# Altium PCB FMC_ADC_250M_16B_4ch.PcbDoc (part 8 of 8)
Units mm, origin at the board's own origin, x right, y up, seen from the top; angles counter-clockwise.
Board outline 76.75 x 69 mm, 8 copper layers (Top Layer, GND(SMAGND), L3, GND, L5, GND (Plane2), Power, Bottom Layer), stack 2.323 mm thick; 401 components, 423 nets, 2219 pads, 1334 vias.
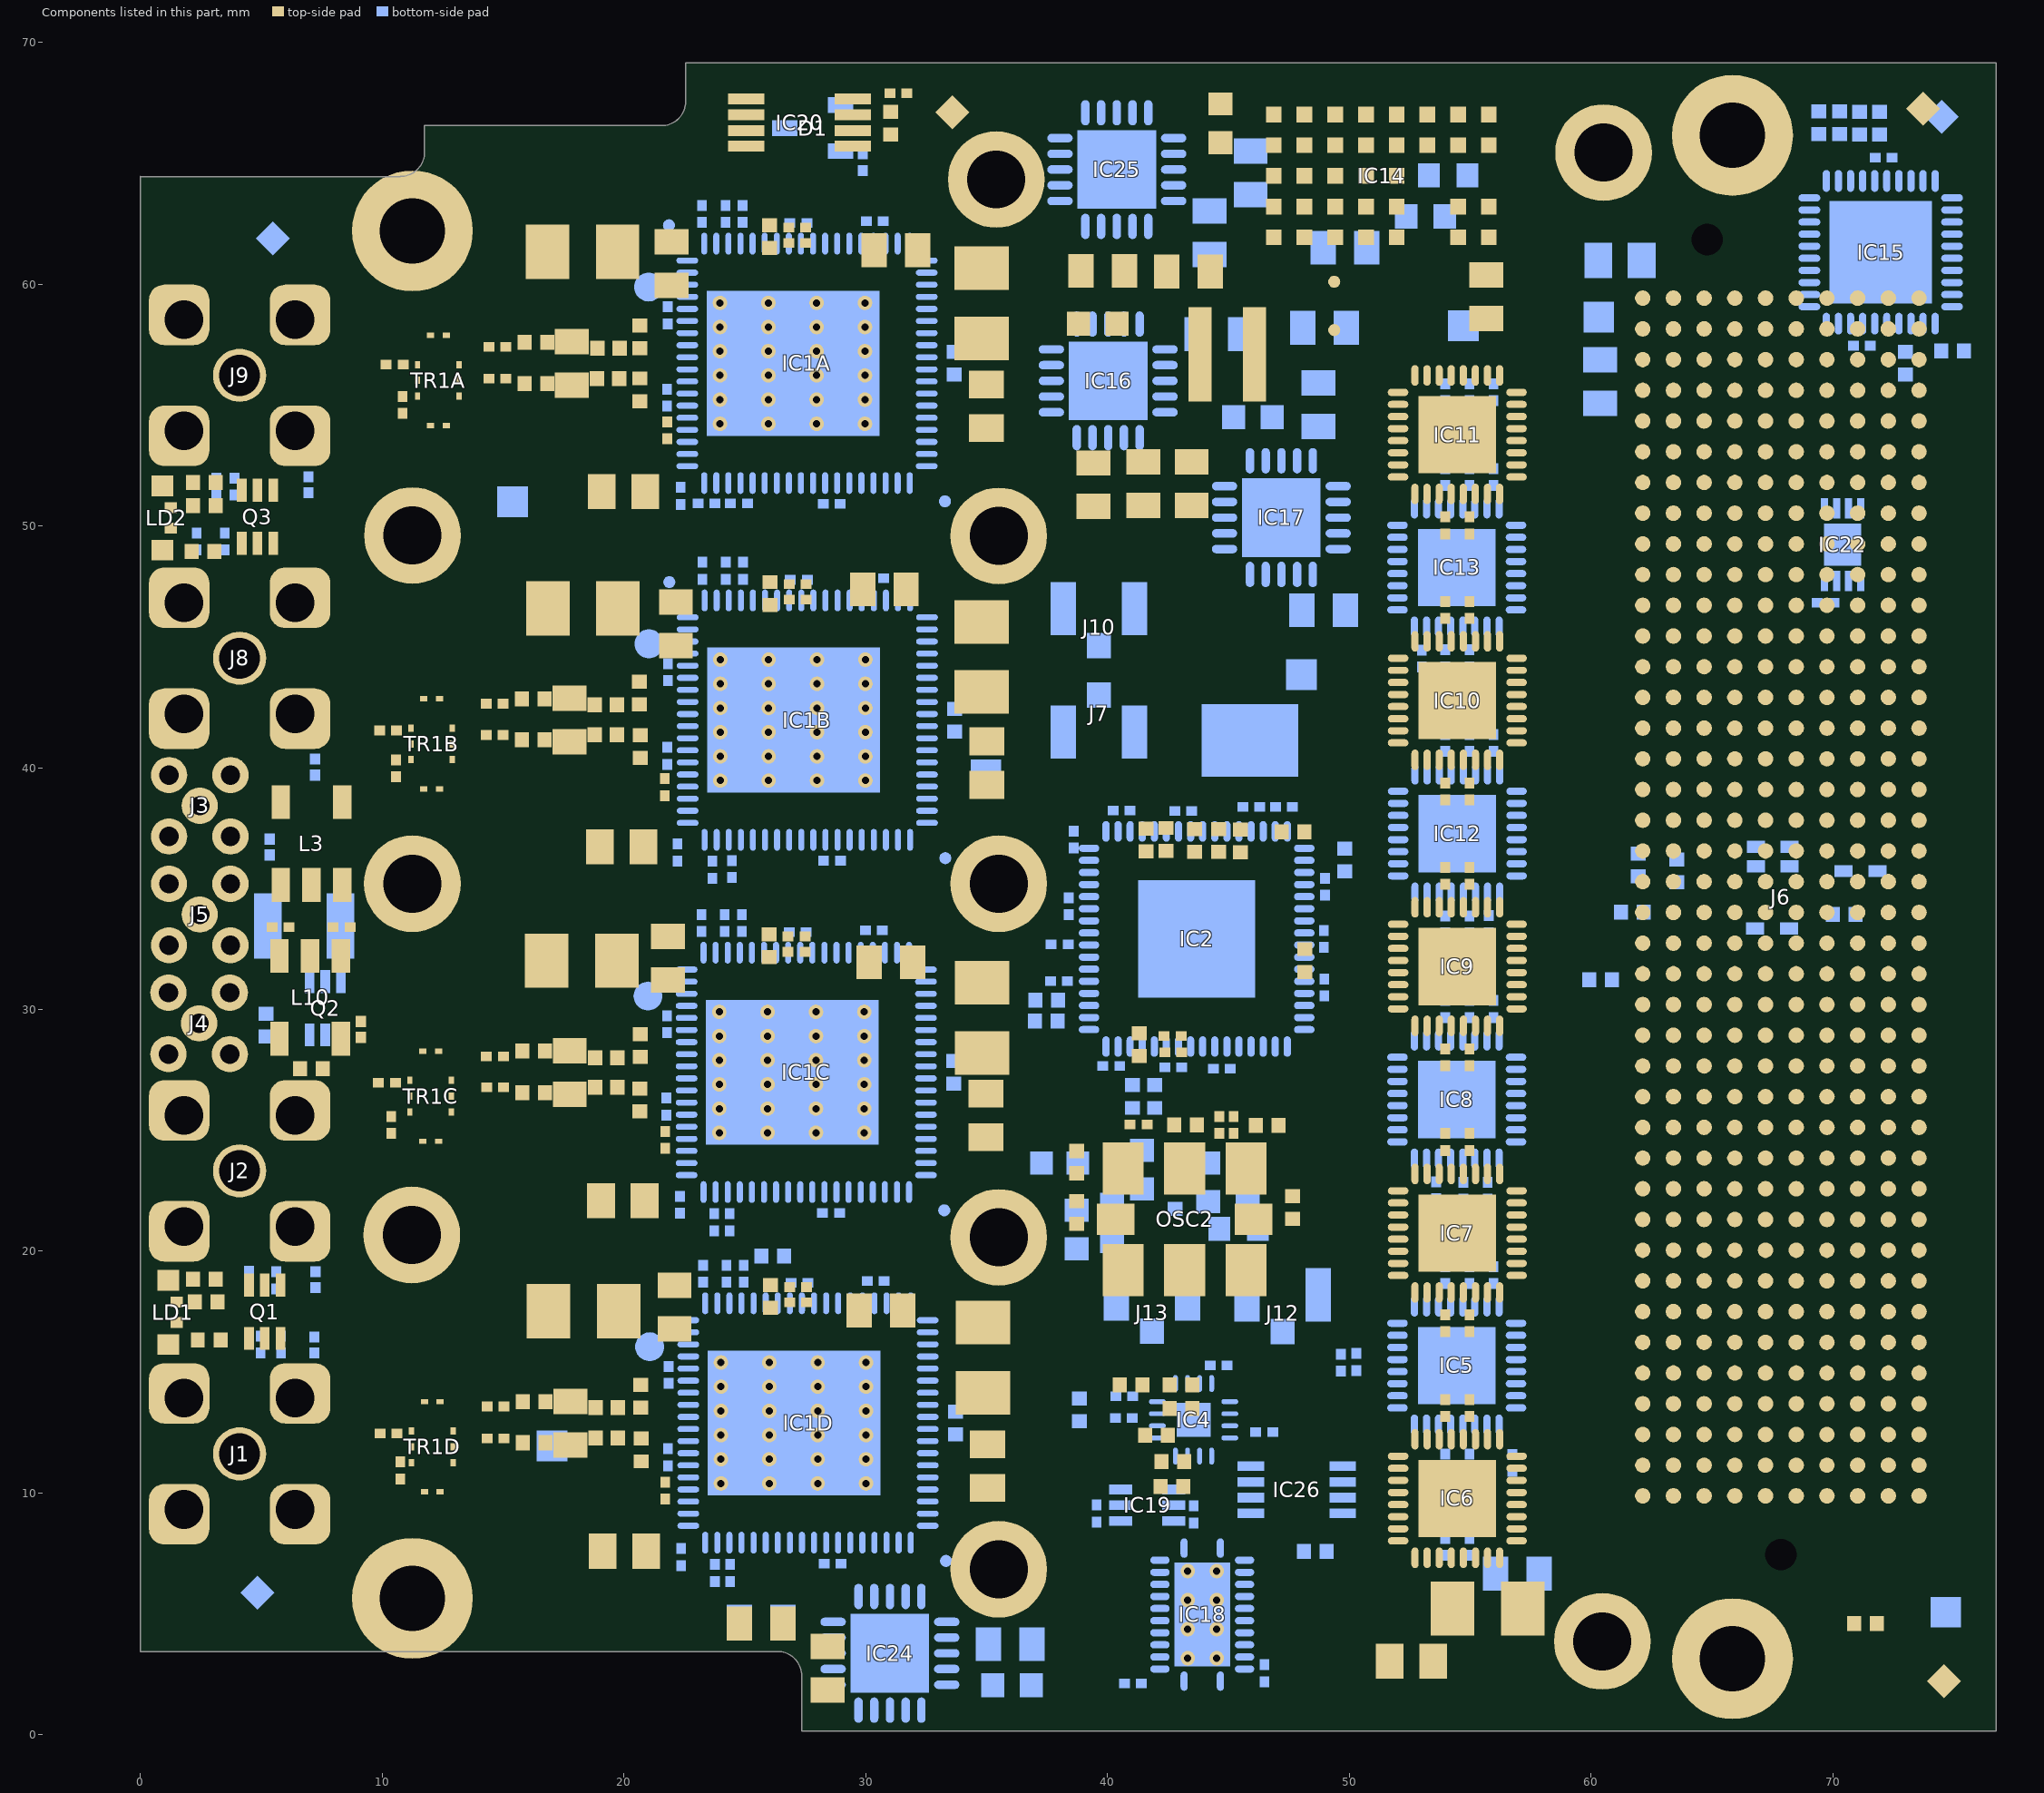
[diagram p14: the components of this part, seen from the top]

## Silkscreen, mask and mechanical layers (free items; w line width, h text height) (continued)
Drill Guide:
  text "INPUT1" at -12.671,55.628 h1
  text "INPUT2" at -12.925,44.134 h1
  text "EXT CLK" at -12.265,37.81 h1
  text "TRIG" at -9.623,33.441 h1
  text "REF IN" at -11.858,29.148 h1
  text "INPUT3" at -13.103,23.078 h1
  text "INPUT4" at -13.687,11.953 h1
Mechanical 1:
  lines w0.127: 0.006,3.45 0.006,64.45 ; 11.756,65.45 11.756,66.55 21.556,66.55 ccw(c21.556,67.55) 22.556,67.55 22.556,69.15 ; 26.356,3.45 cw(c26.356,2.45) 27.356,2.45 27.356,0.15 ; 76.756,0.15 76.756,69.15
Mechanical 2:
  circle w0.1: c11.259,5.646 r1.025
  circle w0.1: c11.259,62.196 r1.025
  circle w0.127: c-31.253,44.074 r4.25
  circle w0.127: c-34.273,28.974 r2
  circle w0.127: c-34.273,33.474 r2
  circle w0.127: c-31.253,22.874 r4.25
  circle w0.127: c-34.273,37.974 r2
  circle w0.127: c-35.833,17.074 r0.75
  circle w0.127: c-35.833,49.924 r0.75
  lines w0.1: -15.719,33.925 4.606,33.925 4.631,33.95 ; -0.741,7.896 11.259,7.896 cw(c11.259,5.646) 11.259,3.396 0.259,3.396 0.259,4.696 -1.191,4.696 ; -0.741,7.921 -0.741,59.921 ; -0.741,59.946 11.259,59.946 ccw(c11.259,62.196) 11.259,64.446 0.259,64.446 0.259,63.146 -1.191,63.146 ; 4.089,11.763 4.089,57.21 4.1,57.221 ; 10.259,5.646 12.259,5.646 ; 10.259,62.196 12.259,62.196 ; 11.252,5.667 11.252,62.207 ; 11.252,20.576 37.998,20.576 38.024,20.602 ; 11.252,35.105 38.024,35.105 ; 11.252,49.583 38.328,49.583 38.354,49.558 ; 11.256,5.65 -14.794,5.65 ; 11.256,62.2 -14.794,62.2 -14.794,5.65 ; 11.259,4.646 11.259,6.646 ; 11.259,61.196 11.259,63.196 ; 35.481,67.825 35.506,67.8 35.506,20.576 ; 35.506,4.45 35.506,20.6 ; -14.794,5.65 -14.794,5.65 ; -2.791,4.696 cw(c-1.991,4.696) -1.191,4.696 ; -2.791,4.696 -3.241,4.696 -3.241,63.146 -2.791,63.146 ; -2.791,4.696 -2.791,63.146 ; -2.791,63.146 ccw(c-1.991,63.146) -1.191,63.146 ; -1.191,4.696 -1.191,63.146
  lines w0.127: -36.28,4.527 cw(c-35.036,7.253) -38.033,7.253 -38.033,59.704 cw(c-35.036,59.704) -36.28,62.431 ; -26.273,5.074 ccw(c-28.33,7.253) -25.333,7.253 -25.333,59.704 ccw(c-28.33,59.704) -26.273,61.884 ; -33.313,7.456 ccw(c-31.253,11.174) -29.193,7.456 ; -33.313,7.456 cw(c-31.253,11.174) -29.193,7.456 ; -33.313,7.456 -36.28,7.456 -36.28,2.961 -26.273,2.961 -26.273,7.456 -29.193,7.456 ; -33.296,59.501 cw(c-31.253,55.774) -29.211,59.501 ; -33.296,59.501 ccw(c-31.253,55.774) -29.211,59.501 ; -33.296,59.501 -36.28,59.501 -36.28,63.997 -26.273,63.997 -26.273,59.501 -29.211,59.501
  lines w0.203: 2.56,16.805 6.37,16.805 ; 2.56,35.855 6.37,35.855 ; 2.56,45.38 6.37,45.38 ; 2.56,54.905 6.37,54.905 ; 2.687,26.33 6.37,26.33
  text "Input stage 1" at -21.895,56.441 h1.52
  text "Input stage 2" at -22.657,43.995 h1.52
  text "Input stage 3" at -23.749,22.888 h1.52
  text "Input stage 4" at -22.073,11.89 h1.52
Mechanical 3:
  text "ADC 4CH" at -34.388,61.343 h1
  text "IN1" at -37.512,57.787 h1.4 r270
  text "LD2" at -33.829,49.659 h1.4
  text "IN2" at -37.512,45.976 h1.4 r270
  text "ext" at -31.67,38.229 h1.4
  text "CLK" at -31.67,36.324 h1.4
  text "TRIG" at -31.67,33.149 h1.4
  text "REF" at -31.67,28.577 h1.4
  text "IN3" at -37.512,24.64 h1.4 r270
  text "LD1" at -33.702,16.639 h1.4
  text "IN4" at -37.512,13.083 h1.4 r270
  text "250MHz,16b" at -36.166,5.59 h1
Mechanical 5:
  lines w0.254: 0,3.45 26.356,3.45 cw(c26.356,2.45) 27.356,2.45 27.356,0.15 76.75,0.15 ; 0.004,64.446 10.75,64.446 ; 0.006,3.45 0.006,64.45 ; 10.756,64.45 ccw(c10.756,65.45) 11.756,65.45 11.756,66.55 21.556,66.55 ccw(c21.556,67.55) 22.556,67.55 22.556,69.15 ; 22.575,69.15 76.756,69.15 76.756,0.15
Mechanical 8:
  circle w0.1: c65.856,3.15 r2.9
  circle w0.1: c65.856,66.15 r2.9
  circle w0.1: c64.806,61.85 r0.65
  circle w0.1: c65.856,3.15 r1.35
  circle w0.1: c67.856,7.45 r0.65
  circle w0.1: c65.856,66.15 r1.35
  circle w0.1: c11.256,5.65 r1.35
  circle w0.1: c11.256,62.2 r1.35
  lines w0.1: 0.256,8.95 31.256,8.95 31.256,58.95 0.256,58.95 ; 10.256,5.65 11.256,5.65 ; 10.256,62.2 11.256,62.2 ; 11.256,4.65 11.256,5.65 ; 11.256,6.65 11.256,5.65 ; 11.256,61.2 11.256,62.2 ; 11.256,63.2 11.256,62.2 ; 12.256,5.65 11.256,5.65 ; 12.256,62.2 11.256,62.2 ; 63.806,61.85 64.806,61.85 ; 64.806,60.85 64.806,61.85 ; 64.806,62.85 64.806,61.85 ; 64.856,3.15 65.856,3.15 ; 64.856,66.15 65.856,66.15 ; 65.806,61.85 64.806,61.85 ; 65.856,2.15 65.856,3.15 ; 65.856,4.15 65.856,3.15 ; 65.856,65.15 65.856,66.15 ; 65.856,67.15 65.856,66.15 ; 66.856,3.15 65.856,3.15 ; 66.856,7.45 67.856,7.45 ; 66.856,66.15 65.856,66.15 ; 67.856,6.45 67.856,7.45 ; 67.856,8.45 67.856,7.45 ; 68.856,7.45 67.856,7.45 ; 72.556,9.85 73.556,9.85 ; 73.556,8.85 73.556,9.85 ; 73.556,10.85 73.556,9.85 ; 74.556,9.85 73.556,9.85
Drill Drawing:
  lines w0.1: 9.756,65.45 10.756,65.45 ; 10.756,64.45 10.756,65.45 ; 10.756,66.45 10.756,65.45 ; 11.756,65.45 10.756,65.45 ; 20.556,67.55 21.556,67.55 ; 21.556,66.55 21.556,67.55 ; 21.556,68.55 21.556,67.55 ; 22.556,67.55 21.556,67.55 ; 25.356,2.45 26.356,2.45 ; 26.356,1.45 26.356,2.45 ; 26.356,3.45 26.356,2.45 ; 27.356,2.45 26.356,2.45
Mechanical 18:
  drawing of 300 lines, arcs and shapes, not listed
shield 2D:
  drawing of 592 lines, arcs and shapes, not listed
  text "new 2d Shield" at 169.475,173 h1.52

## Dimensions
26.356,2.45 to 29.057,5.15 on Drill Drawing

## Text inside footprints (layer, text, board x,y; h text height)
IC5: Mechanical 16 "1" at 54.286,15.725 h0.75 r180
IC6: Mechanical 15 "1" at 54.311,9.325 h0.75
IC7: Mechanical 15 "1" at 54.311,20.3 h0.75
IC8: Mechanical 16 "1" at 54.286,26.725 h0.75 r180
IC9: Mechanical 15 "1" at 54.311,31.325 h0.75
IC10: Mechanical 15 "1" at 54.311,42.325 h0.75
IC11: Mechanical 15 "1" at 54.307,53.321 h0.75
IC12: Mechanical 16 "1" at 54.311,37.725 h0.75 r180
IC13: Mechanical 16 "1" at 54.286,48.725 h0.75 r180
IC14: Mechanical 14 "5" at 57.317,61.996 h0.4 r270; Mechanical 14 "4" at 57.317,63.266 h0.4 r270; Mechanical 14 "3" at 57.317,64.536 h0.4 r270; Mechanical 14 "2" at 57.317,65.806 h0.4 r270; Mechanical 14 "1" at 57.317,67.076 h0.4 r270; Mechanical 14 "A" at 55.666,68.219 h0.4 r270; Mechanical 14 "B" at 54.396,68.219 h0.4 r270; Mechanical 14 "C" at 53.126,68.219 h0.4 r270; Mechanical 14 "D" at 51.856,68.219 h0.4 r270; Mechanical 14 "E" at 50.586,68.219 h0.4 r270; Mechanical 14 "F" at 49.316,68.219 h0.4 r270; Mechanical 14 "G" at 48.046,68.219 h0.4 r270; Mechanical 14 "H" at 46.776,68.219 h0.4 r270
IC15: Mechanical 16 "1" at 72.438,61.477 h0.75 r90
J6: Top Overlay "e" at 68.163,5.876 h1; Top Overlay "d" at 69.401,5.836 h1; Top Overlay "c" at 70.777,5.853 h1; Top Overlay "b" at 72.047,5.853 h1; Top Overlay "a" at 73.317,5.853 h1; Top Overlay "f" at 66.896,5.709 h1; Top Overlay "h" at 64.3,5.853 h1; Top Overlay "g" at 65.626,5.963 h1; Top Overlay "j" at 63.086,5.963 h1; Top Overlay "k" at 61.943,5.836 h1; Top Overlay "40" at 59.475,61.725 h1 r270; Top Overlay "1" at 59.784,9.233 h1; Mechanical 14 "a" at 73.317,4.678 h1; Mechanical 14 "b" at 72.047,4.678 h1; Mechanical 14 "c" at 70.777,4.678 h1; Mechanical 14 "d" at 69.401,4.661 h1; Mechanical 14 "e" at 68.163,4.701 h1; Mechanical 14 "f" at 66.896,4.534 h1; Mechanical 14 "h" at 64.3,4.678 h1; Mechanical 14 "g" at 65.626,4.788 h1; Mechanical 14 "j" at 63.086,4.788 h1; Mechanical 14 "k" at 61.943,4.661 h1; Mechanical 14 "40" at 59.475,61.725 h1 r270; Mechanical 14 "1" at 59.784,9.233 h1
LD1: Mechanical 8 "C" at 2.481,16.875 h0.5 r90
LD2: Mechanical 8 "C" at 2.231,49.725 h0.5 r90